# Altium PCB Ver1_0.PcbDoc (continued)
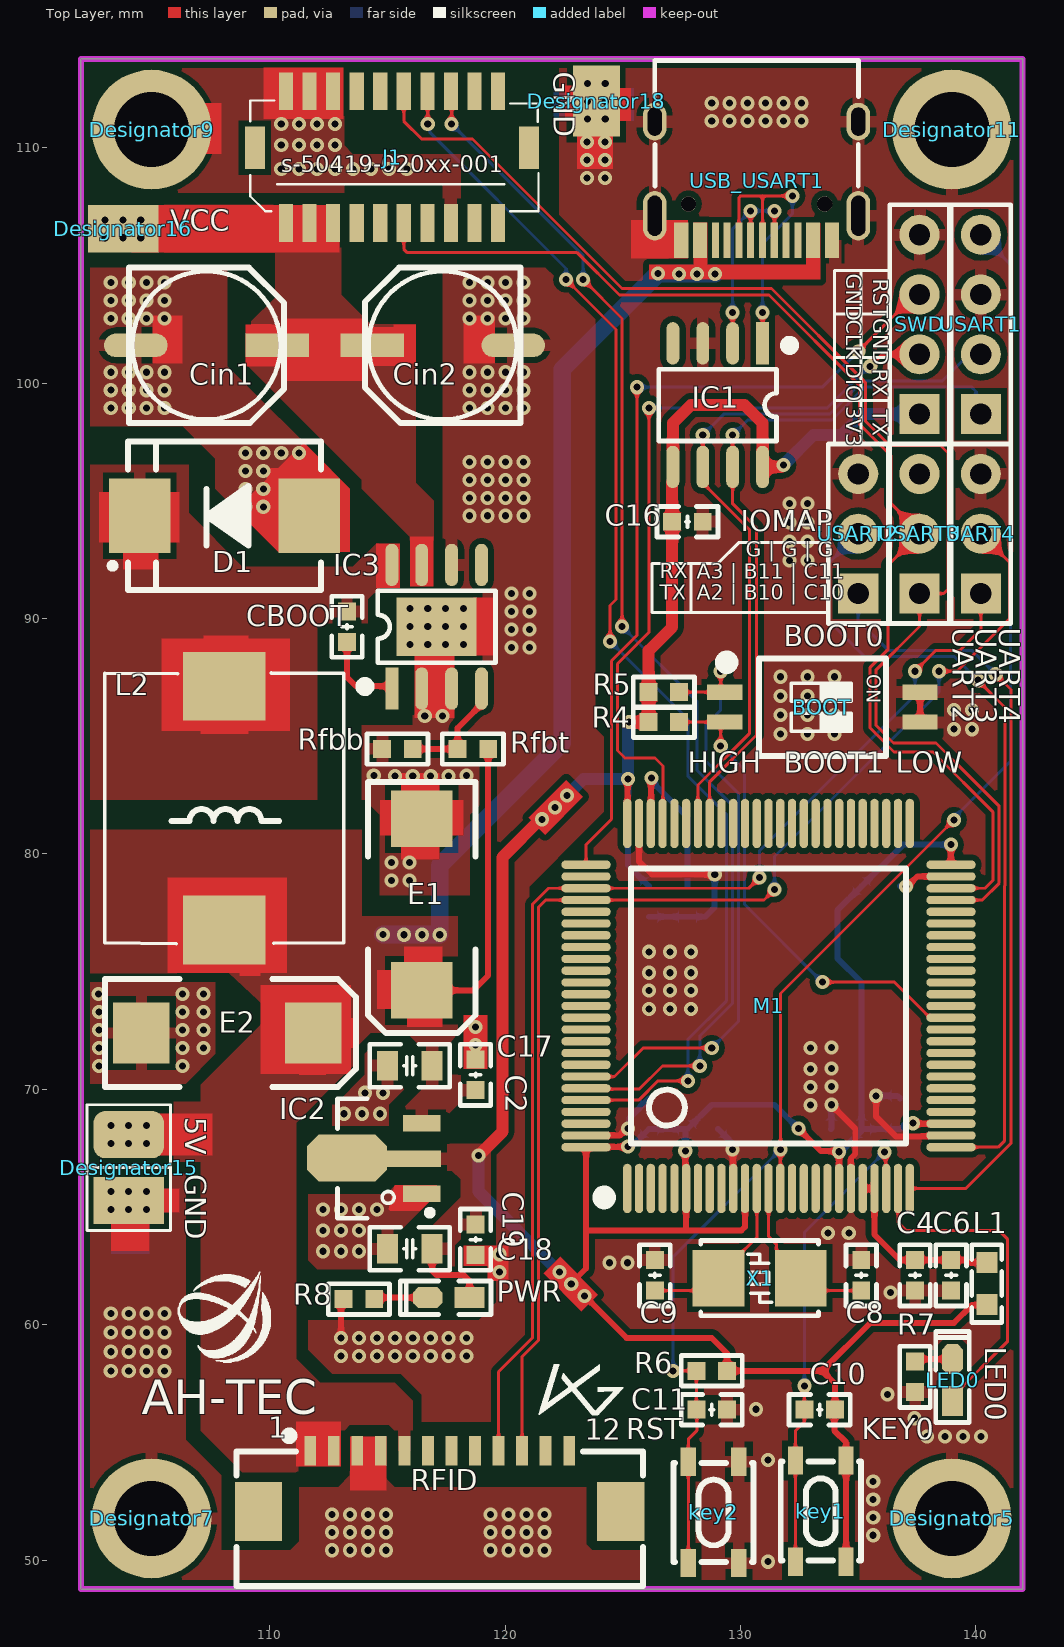
[diagram p0: Top Layer view]
## Nets (pads, with @x,y where several pads share a name; then routed paths per layer and width w, separated by ;. In a path a pad name is that pad's centre, name@x,y a point inside that pad or via, vN(x,y) a via of type N, cw(c..) or ccw(c..) an arc to the next point about the centre after c; other vN are vias at no path point) (continued)
  Top Layer w0.254: v1(113.03,59.436) 113.03,60.975 R8.2 ; M1.99 124.87,68.039 125.157,68.326 v1(125.222,68.326) ; M1.74 125.691,79.668 126.238,79.121 v1(128.905,79.121) ; v1(129.667,67.437) 129.679,67.425 129.679,65.798 M1.10 ; v1(133.858,69.342) 134.874,68.326 134.874,67.252 134.691,67.069 M1.20 ; v1(135.763,69.723) 135.763,68.834 136.597,68 137.962,68 137.982,68.02 138.925,68.02 M1.27 ; BOOT.3 BOOT.4
  Bottom Layer w0.254: v1(125.222,68.326) 125.288,68.392 125.288,68.788 C5.1 ; C15.1 C1.2 128.509,77.328 128.905,77.724 v1(128.905,79.121) ; C14.1 129.601,67.757 129.601,67.503 v1(129.667,67.437) ; C12.1 133.858,68.326 v1(133.858,69.342) ; v1(135.763,69.723) 136.667,69.723 C7.1
  other v1: 131.171,49.931 112.649,50.419 113.411,50.419 114.173,50.419 114.935,50.419 119.38,50.419 120.142,50.419 120.904,50.419 121.666,50.419 135.636,51.054 112.649,51.181 113.411,51.181 114.173,51.181 114.935,51.181 119.38,51.181 120.142,51.181 120.904,51.181 121.666,51.181 135.636,51.816 112.649,51.943 113.411,51.943 114.173,51.943 114.935,51.943 119.38,51.943 120.142,51.943 120.904,51.943 121.666,51.943 135.636,52.578 135.636,53.34 131.171,54.249 137.922,55.245 138.684,55.245 139.446,55.245 140.208,55.245 137.394,56.027 130.663,56.408 136.251,57.043 103.251,58.039 104.013,58.039 104.775,58.039 105.537,58.039 113.03,58.674 113.792,58.674 114.554,58.674 115.316,58.674 116.078,58.674 116.84,58.674 117.602,58.674 118.364,58.674 103.251,58.85 104.013,58.85 104.775,58.85 105.537,58.85 113.792,59.436 114.554,59.436 115.316,59.436 116.078,59.436 116.84,59.436 117.602,59.436 118.364,59.436 103.251,59.661 104.013,59.661 104.775,59.661 105.537,59.661 103.251,60.472 104.013,60.472 104.775,60.472 105.537,60.472 136.378,61.361 119.761,62.23 124.44,62.631 125.202,62.631 119.761,62.992 112.268,63.119 113.03,63.119 113.792,63.119 133.711,63.901 134.6,63.901 112.268,64.008 113.03,64.008 113.792,64.008 112.268,64.897 113.03,64.897 113.792,64.897 114.554,64.897 113.157,68.961 113.919,68.961 114.681,68.961 132.969,69.322 114.046,69.85 114.808,69.85 132.969,70.104 133.858,70.124 132.969,70.866 133.858,70.886 102.743,70.993 106.299,70.993 102.743,71.755 106.299,71.755 107.188,71.755 132.969,71.755 133.858,71.775 118.745,71.882 102.743,72.517 106.299,72.517 107.188,72.517 118.745,72.644 102.743,73.279 106.299,73.279 107.188,73.279 126.111,73.406 127,73.406 127.889,73.406 102.736,74.047 106.292,74.047 107.188,74.041 126.111,74.188 127,74.188 127.889,74.188 126.111,74.95 127,74.95 127.889,74.95 126.111,75.839 127,75.839 127.889,75.839 115.182,78.873 115.944,78.873 115.182,79.635 115.944,79.635 115.316,83.312 116.078,83.312 116.84,83.312 117.602,83.312 114.423,83.329 118.36,83.329 131.699,85.09 132.842,85.09 133.985,85.09 139.065,85.295 139.827,85.295 116.586,85.852 117.348,85.852 131.699,85.901 132.842,85.901 133.985,85.901 139.065,86.106 139.827,86.106 131.699,86.712 132.842,86.712 133.985,86.712 131.699,87.523 132.842,87.523 133.985,87.523 120.269,88.773 121.031,88.773 115.951,88.9 116.713,88.9 117.475,88.9 118.237,88.9 120.269,89.535 121.031,89.535 115.951,89.662 116.713,89.662 117.475,89.662 118.237,89.662 120.269,90.297 121.031,90.297 115.951,90.424 116.713,90.424 117.475,90.424 118.237,90.424 120.269,91.059 121.031,91.059 132.08,92.456 132.842,92.456 132.08,93.267 132.842,93.267 132.08,94.078 132.842,94.078 118.491,94.361 119.253,94.361 120.015,94.361 120.777,94.361 108.966,94.742 109.728,94.742 132.08,94.889 132.842,94.889 118.491,95.123 119.253,95.123 120.015,95.123 120.777,95.123 108.966,95.504 109.728,95.504 118.491,95.885 119.253,95.885 120.015,95.885 120.777,95.885 108.966,96.266 109.728,96.266 118.491,96.647 119.253,96.647 120.015,96.647 120.777,96.647 108.966,97.028 109.728,97.028 110.49,97.028 111.252,97.028 103.251,98.933 104.013,98.933 104.775,98.933 105.537,98.933 118.491,98.933 119.253,98.933 120.015,98.933 120.777,98.933 103.251,99.695 104.013,99.695 104.775,99.695 105.537,99.695 118.491,99.695 119.253,99.695 120.015,99.695 120.777,99.695 103.251,100.457 104.013,100.457 104.775,100.457 105.537,100.457 118.491,100.457 119.253,100.457 120.015,100.457 120.777,100.457 103.251,102.743 104.013,102.743 104.775,102.743 105.537,102.743 118.491,102.743 119.253,102.743 120.015,102.743 120.777,102.743 103.251,103.505 104.013,103.505 104.775,103.505 105.537,103.505 118.491,103.505 119.253,103.505 120.015,103.505 120.777,103.505 103.251,104.267 104.013,104.267 104.775,104.267 105.537,104.267 118.491,104.267 119.253,104.267 120.015,104.267 120.777,104.267 123.481,108.709 124.243,108.709 110.49,109.093 111.252,109.093 112.014,109.093 112.776,109.093 113.538,109.093 114.3,109.093 115.062,109.093 115.824,109.093 123.481,109.471 124.243,109.471 110.49,110.109 111.252,110.109 112.014,110.109 112.776,110.109 123.481,110.233 124.243,110.233 110.49,110.998 111.252,110.998 112.014,110.998 112.776,110.998 128.778,111.125 129.54,111.125 130.302,111.125 131.064,111.125 131.826,111.125 132.588,111.125 128.778,111.887 129.54,111.887 130.302,111.887 131.064,111.887 131.826,111.887 132.588,111.887
KEY0: C10.2 key1.1 key1.2 M1.23 | length 20.7
  Top Layer w0.127: key1.1 key1.2 132.334,55.499 132.715,55.88 C10.2 v1(132.715,57.404) v1@132.842,57.404 ; v1(136.121,67.337) 136.168,67.29 136.168,65.81 M1.23 M1.23@136.223,65.755
  Bottom Layer w0.127: v1(132.715,57.404) 132.715,63.931 v1(136.121,67.337)
LED0: LED0.1 M1.24 | length 14.2
  Top Layer w0.127: M1.24 136.691,64.35 137.033,64.008 140.97,64.008 141.351,63.627 141.351,59.293 139.007,56.949 LED0.1
NetC1_1: C1.1 M1.73 | length 7.2
  Top Layer w0.254: M1.73 126.199,81.299 126.199,83.204 v1(126.217,83.221)
  Bottom Layer w0.254: v1(126.217,83.221) 126.217,83.079 127.747,81.549 C1.1
NetC3_1: C3.1 M1.49 | length 2.3
  Top Layer w0.254: v1(137.033,78.613) 137.087,78.613 137.512,79.039 M1.49
  Bottom Layer w0.254: C3.1 137.018,78.628 v1(137.033,78.613)
NetCBOOT1_1: CBOOT.1 IC3.1 | length 3.6
  Top Layer w0.254: CBOOT.1 113.284,87.503 113.665,87.122 115.089,87.122 IC3.1
NetCBOOT1_2: CBOOT.2 D1.2 IC3.8 L2.1
NetIC3_4: IC3.4 Rfbb.2 Rfbt.1 | length 4.9
  Top Layer w0.254: Rfbb.2 Rfbt.1 117.983,85.344 118.999,86.36 IC3.4
NetLED0_2: LED0.2 R7.1 | length 1.6
  Top Layer w0.254: R7.1 137.516,58.537 LED0.2
NetPWR_2: PWR.2 R8.1 | length 2.3
  Top Layer w0.254: R8.1 114.503,61.148 PWR.2
NRST: C11.2 key2.1 key2.2 M1.14 R6.2 USART1.4 | length 65.7
  Top Layer w0.127: v1(127.127,58.039) R6.2 C11.2 128.143,56.373 128.143,55.499 127.781,55.137 key2.2 key2.1 ; M1.14 131.695,65.79 131.695,67.433 v1(131.699,67.437) 131.699,74.073 v1(139.065,81.439)
  Bottom Layer w0.127: v1(127.127,58.039) 127.127,62.865 v1(131.699,67.437) ; v1(139.065,81.439) 139.065,81.534 141.478,83.947 141.478,105.029 USART1.4
OLED_CS: M1.36
OLED_DC: M1.35
OLED_RST: M1.91
OSC_8M_IN: C9.2 M1.12 X1.2 | length 7.4
  Top Layer w0.127: C9.2 128.533,61.449 X1.2 129.06,62.076 130.691,63.707 M1.12
OSC_8M_OUT: C8.2 M1.13 X1.1 | length 7.2
  Top Layer w0.127: M1.13 131.191,63.754 131.523,63.422 131.523,63.013 X1.1 133.087,61.449 C8.2
PB6_I2C1_SCL: M1.92
PB7_I2C1_SDA: M1.93
PC0_ADC123_IN10: M1.15
PC1_ADC123_IN11: M1.16
PC2_ADC123_IN12: M1.17
PC3_ADC123_IN13: M1.18
PC4_ADC12_IN14: M1.33
PC5_ADC12_IN15: M1.34
PC6: M1.63
PC7: M1.64
SPI1_CLK_PA5: M1.30
SPI1_CS_PA4: M1.29
SPI1_MISO_PA6: M1.31
SPI1_MOSI_PA7: M1.32
SPI2_CLK: M1.52
SPI2_MOSI: M1.54
SWCLK: M1.76 SWD.3 | length 34.8
  Top Layer w0.127: M1.76 123.439,80.391 124.521,81.473 124.521,88.199 125.603,89.281 v1(125.603,99.822) ; v1(135.001,101.346) 137.414,103.759 SWD.3
  Bottom Layer w0.127: v1(125.603,99.822) 133.477,99.822 v1(135.001,101.346)
SWDIO: M1.72 SWD.2 | length 32.2
  Top Layer w0.127: v1(126.111,98.933) 126.111,89.408 124.775,88.072 124.775,84.394 125.095,84.074 126.365,84.074 126.707,83.732 126.707,81.307 M1.72 ; v1(135.509,100.711) 136.017,101.219 SWD.2
  Bottom Layer w0.127: v1(126.111,98.933) 133.674,98.933 135.452,100.711 v1(135.509,100.711)
UART4_RX: M1.79 RFID.10 UART4.2 | length 53.9
  Top Layer w0.127: RFID.10 120.721,58.64 121.412,59.331 121.412,77.724 121.727,78.039 M1.79 130.998,78.039 v1(131.445,78.486) ; v1(138.43,87.757) 139.192,87.757 141.425,89.99 141.425,92.382 UART4.2
  Bottom Layer w0.127: v1(131.445,78.486) 131.445,79.883 138.43,86.868 v1(138.43,87.757)
UART4_TX: M1.78 RFID.9 UART4.1 | length 50.5
  Top Layer w0.127: RFID.9 119.721,57.999 121.158,59.436 121.158,77.851 121.846,78.539 M1.78 130.355,78.539 v1(130.81,78.994) ; v1(137.414,87.757) 138.303,88.646 139.319,88.646 140.208,89.535 UART4.1
  Bottom Layer w0.127: v1(130.81,78.994) 130.81,80.137 137.414,86.741 v1(137.414,87.757)
USART1_RX: IC1.6 M1.69 USART1.2 | length 31.5
  Top Layer w0.127: M1.69 128.191,82.92 130.376,85.106 130.376,93.779 128.397,95.758 v1(128.397,97.79)
  Bottom Layer w0.127: v1(128.397,97.79) 129.286,98.679 133.779,98.679 135.176,100.076 138.557,100.076 139.399,100.918 139.907,100.918 USART1.2
USART1_TX: IC1.7 M1.68 USART1.1 | length 33.6
  Top Layer w0.127: M1.68 128.691,83.061 130.683,85.053 130.683,88.552 ; v1(129.667,97.79) IC1.7 129.667,94.869 130.683,93.853 130.683,92.934 130.683,89.06 ; 130.683,88.997 130.683,88.552 ; 130.683,92.14 130.683,88.552
  Bottom Layer w0.127: v1(129.667,97.79) 130.302,98.425 133.884,98.425 135.281,99.822 139.827,99.822 140.004,99.645 140.004,98.883 USART1.1
USART2_RX: M1.26 USART2.2 | length 34.1
  Top Layer w0.127: M1.26 140.945,67.539 141.224,67.818 141.224,78.635 141.239,78.65 141.239,86.218 v1(140.081,87.376)
  Bottom Layer w0.127: USART2.2 133.731,92.329 133.731,89.916 135.255,88.392 139.065,88.392 v1(140.081,87.376)
USART2_TX: M1.25 USART2.1 | length 33.2
  Top Layer w0.127: M1.25 139.573,65.786 141.493,67.706 141.493,86.98 v1(140.843,87.63)
  Bottom Layer w0.127: USART2.1 135.001,89.916 136.271,88.646 139.827,88.646 v1(140.843,87.63)
USART3_RX: J1.11 M1.48 USART3.2 | length 50.9
  Top Layer w0.127: J1.11 115.697,105.686 115.846,105.537 123.063,105.537 124.856,103.744 131.206,103.744 135.064,99.885 135.064,98.234 136.398,96.901 136.398,94.869 137.605,93.662 USART3.2 136.271,92.266 136.271,88.688 135.509,87.926 135.509,85.344 136.525,84.328 138.176,84.328 140.716,81.788 140.716,78.867 140.388,78.539 M1.48
USART3_TX: J1.12 M1.47 USART3.1 | length 56.9
  Top Layer w0.127: J1.12 115.697,111.125 116.459,110.363 118.618,110.363 124.968,104.013 131.318,104.013 135.255,100.076 135.255,100.054 135.319,99.991 135.319,98.361 136.335,97.345 138.494,97.345 138.811,97.028 138.811,91.239 138.631,91.059 138.557,91.059 138.303,91.059 137.668,91.059 USART3.1 137.605,89.662 135.763,87.82 135.763,85.449 136.503,84.709 138.303,84.709 139.954,83.058 140.985,82.027 140.985,78.755 140.269,78.039 M1.47
VCC13.6V_IN: Cin1.1 Cin2.1 Designator16.1 IC3.7 J1.1 J1.3 J1.5
VCC_3V3: C5.2 C7.2 C10.1 C12.2 C13.2 C14.2 C15.2 C16.2 C18.2 C19.2 IC1.5 IC1.8 IC2.2 key1.3 key1.4 L1.2 M1.6 M1.11 M1.19 M1.28 M1.50 M1.75 M1.100 PWR.1 R4.2 R5.2 R6.1 SWD.1 | length 150.1
  Top Layer w0.254: C18.2 116.901,62.296 117.094,62.103 118.237,62.103 118.491,61.849 PWR.1 ; v1(123.372,61.224) 125.16,59.436 128.778,59.436 129.428,58.786 R6.1 133.477,58.039 ; v1@123.53,61.382 123.182,61.73 122.784,61.73 123.439,62.384 123.439,64.013 ; M1.75 125.206,81.306 125.206,83.169 v1(125.222,83.185) ; v1(125.222,67.564) 125.209,67.551 123.451,67.551 M1.100 123.439,64.013 ; v1(127.654,67.386) 127.654,65.823 M1.6 127.691,64.022 127.686,64.017 ; M1.11 130.191,64.157 130.042,64.008 123.444,64.008 123.439,64.013 ; v1(132.461,68.326) 133.41,67.377 134.155,67.377 v1(134.185,67.346) 134.185,65.874 134.232,65.827 M1.19 ; key1.3 key1.4 134.484,55 133.985,55.499 133.985,56.358 C10.1 134.015,57.501 133.477,58.039 ; v1(137.329,68.558) 137.349,68.539 M1.28 ; v1(138.938,80.391) 138.938,79.544 M1.50 ; L1.2 140.436,60.833 139.827,60.833 139.065,60.071 135.509,60.071 133.477,58.039
  Top Layer w0.508: v1(118.872,67.183) 119.888,68.199 119.888,79.851 121.585,81.548 121.724,81.548 v1@122.15,81.974 ; v1(125.265,85.598) R4.2 R5.2 126.096,88.631 127.097,89.632 C16.2 127.097,95.769 127.127,95.799 IC1.5 127.127,98.298 127.889,99.06 130.175,99.06 130.937,98.298 IC1.8 131.716,96.435 131.801,96.52 v1(131.826,96.52)
  Bottom Layer w0.254: v1(125.222,67.564) 125.288,67.63 125.43,67.63 C5.2 C14.2 ; v1(125.222,83.185) 125.222,79.517 C15.2 ; v1(127.654,67.386) 127.654,68.18 127.635,68.199 C14.2 ; v1(132.461,68.326) 131.445,69.342 128.778,69.342 C14.2 ; v1(134.185,67.346) 134.255,67.346 135.143,68.234 C12.2 ; v1(137.329,68.558) 137.026,68.558 C7.2 C12.2 ; v1(138.938,80.391) 136.906,80.391 C13.2 134.112,77.597 134.112,75.565 135.143,74.534 C12.2
  Bottom Layer w0.508: v1(118.872,67.183) 118.872,65.659 v1@122.303,62.228 ; v1(122.629,82.475) 123.338,83.185 v1(125.222,83.185) 125.222,85.53 125.265,85.573 v1(125.265,85.598) ; v1(131.826,96.52) 133.096,97.79 134.29,97.79 135.179,98.679 SWD.1
  other v1: 122.809,61.722 122.305,62.231 121.562,81.468 122.125,81.966
VCC_5V: C2.2 C17.2 Designator15.2 E1.1 E2.1 IC2.3 L2.2 Rfbt.2 RFID.1 RFID.2 RFID.5 USB_USART1.A4 USB_USART1.A9 USB_USART1.B4 USB_USART1.B9 | length 49.5
  Top Layer w0.254: E1.1 118.651,74.201 119.283,74.833 Rfbt.2
  Bottom Layer w0.762: v1(114.808,76.581) 117.208,76.581 v1(117.225,76.564) 117.225,79.506 122.428,84.709 122.428,100.584 v1(126.492,104.648) 128.147,104.648 v1@128.909,104.648
  other v1: 115.701,76.564 116.463,76.564 127.385,104.631 128.147,104.631 128.909,104.631
VDDA: C4.2 C6.2 L1.1 M1.21 M1.22 | length 7.7
  Top Layer w0.254: M1.21 M1.22 135.691,63.826 136.768,62.749 C4.2 C6.2 139.562,62.749 139.674,62.637 L1.1
pads on no net: IC1.4 IC3.5 IC3.10 IC3.11 J1.0 J1.7 J1.8 J1.9 J1.10 J1.13 J1.17 J1.18 J1.19 J1.20 M1.1 M1.2 M1.3 M1.4 M1.5 M1.7 M1.8 M1.9 M1.38 M1.39 M1.40 M1.41 M1.42 M1.43 M1.44 M1.45 M1.46 M1.51 M1.53 M1.55 M1.56 M1.57 M1.58 M1.59 M1.60 M1.61 M1.62 M1.65 M1.66 M1.67 M1.70 M1.71 M1.77 M1.80 M1.81 M1.82 M1.83 M1.84 M1.85 M1.86 M1.87 M1.88 M1.89 M1.90 M1.97 M1.98 RFID.0 RFID.6 RFID.7 RFID.8 RFID.11 RFID.12 USB_USART1.0 USB_USART1.A5 USB_USART1.A8 USB_USART1.B5 USB_USART1.B8

## Polygon pours and split planes (outlines as drawn)
GND on Top Layer "GND_L01_P035" (solid, remove dead copper, pour order 35): 122.301,113.38 122.301,55.88 125.984,52.197 125.984,48.768 141.986,48.768 142.113,48.895 141.986,49.022 141.986,113.411
VCC13.6V_IN on Top Layer "VCC13.6V_IN_L01_P032" (solid, pour order 32): 113.03,107.569 101.981,107.569 101.981,105.537 112.966,105.537 113.03,105.474
GND on Top Layer "GND_L01_P029" (solid, pour order 29): 122.301,113.792 122.301,109.093 126.111,105.283 127.762,105.283 127.762,113.792
GND on Top Layer "GND_L01_P027" (solid, pour order 27): 101.981,66.421 106.426,66.421 106.426,55.118 107.95,53.594 107.95,48.768 101.981,48.768
VCC_5V on Top Layer "VCC_5V_L01_P007" (solid, pour order 7): 107.061,68.072 107.061,55.499 108.839,53.721 113.03,53.721 113.03,55.372 113.411,55.753 115.062,55.753 115.316,55.499 115.316,53.721 116.078,53.721 116.078,56.769 115.316,57.531 112.141,57.531 111.125,58.547 111.125,68.072
GND on Top Layer "GND_L01_P034" (solid, pour order 34): 121.703,104.903 123.825,102.782 123.825,85.344 124.333,84.836 124.333,81.915 121.031,78.613 121.031,59.69 119.507,58.166 119.507,55.88 116.459,55.88 116.459,57.023 115.57,57.912 112.649,57.912 111.633,58.928 111.633,60.198 118.872,60.198 119.634,60.96 119.634,67.31 120.269,67.945 120.269,79.756 122.809,82.296 122.809,82.804 122.428,82.804 119.634,80.01 119.634,82.97 119.671,83.007 119.57,83.108 119.57,104.902
VCC_5V on Top Layer "VCC_5V_L01_P033" (solid, pour order 33): 105.918,69.469 105.918,66.929 108.717,66.929 108.717,68.702 107.95,69.469
VCC_5V on Top Layer "VCC_5V_L01_P008" (solid, pour order 8): 113.261,70.716 111.125,68.58 111.125,67.691 110.998,67.564 107.061,67.564 107.061,68.072 107.061,70.191 110.213,73.343
VCC13.6V_IN on Top Layer "VCC13.6V_IN_L01_P014" (solid, pour order 14): 110.236,107.569 113.03,107.569 113.03,103.759 114.3,102.489 116.205,102.489 116.205,100.838 109.22,100.838 109.22,102.616 110.236,103.632
GND on Top Layer "GND_L01_P020" (solid, pour order 20): 101.981,113.768 113.133,113.768 113.157,113.792 113.157,108.077 101.981,108.077
GND on Top Layer "GND_L01_P031" (solid, pour order 31): 126.111,113.792 135.636,113.792 135.636,109.855 135.382,109.601 126.111,109.601
GND on Top Layer "GND_L01_P030" (solid, pour order 30): 133.604,105.283 133.731,105.41 133.731,113.792 141.986,113.792 141.986,108.077 141.605,107.696 139.065,107.696 138.684,107.315 138.684,105.664 138.303,105.283
GND on Top Layer "GND_L01_P028" (solid, pour order 28): 113.411,55.245 114.935,55.245 114.935,53.467 115.316,53.086 123.444,53.086 123.444,50.673 123.698,50.419 125.984,50.419 125.984,48.768 106.299,48.768 106.299,50.292 106.426,50.419 110.871,50.419 111.252,50.8 111.252,53.086 112.903,53.086 113.411,53.594
GND on Top Layer "GND_L01_P025" (solid, pour order 25): 114.3,71.755 115.697,71.755 115.824,71.628 115.824,70.104 115.062,69.342 115.062,68.453 112.649,68.453 112.649,69.342 112.776,69.342 114.046,70.612 114.046,71.501
VCC_5V on Top Layer "VCC_5V_L01_P006" (solid, pour order 6): 116.459,70.612 119.253,70.612 119.253,69.342 117.983,69.342 117.475,68.834 117.475,68.199 115.57,68.199 115.57,69.088 116.459,69.977
GND on Top Layer "GND_L01_P026" (solid, pour order 26): 117.348,66.04 115.443,66.04 114.935,65.532 111.633,65.532 111.633,62.738 112.014,62.357 115.443,62.357 115.697,62.611 115.697,64.135 116.713,65.151 117.348,65.151
GND on Top Layer "GND_L01_P024" (solid, pour order 24): 102.235,74.549 107.696,74.549 107.696,71.501 106.426,70.231 102.362,70.231 102.235,70.104
GND on Top Layer "GND_L01_P023" (solid, pour order 23): 121.793,84.963 118.491,81.661 118.491,78.232 114.681,78.232 114.681,81.661 114.046,82.296 113.919,82.296 113.919,85.471 116.078,85.471 116.078,88.646 116.205,88.773 121.793,88.773
VCC_3V3 on Top Layer "VCC_3V3_L01_P022" (solid, pour order 22): 114.554,67.691 119.38,67.691 119.38,63.881 118.364,63.881 117.856,63.373 117.856,62.484 116.205,62.484 116.205,64.135 116.84,64.135 118.11,65.405 118.11,66.167 117.729,66.548 114.554,66.548
GND on Top Layer "GND_L01_P019" (solid, pour order 19): 102.235,104.902 108.077,104.902 108.204,104.775 108.204,100.711 112.903,96.012 112.903,92.837 110.363,92.837 107.696,95.504 107.696,96.774 106.299,98.171 102.235,98.171
GND on Top Layer "GND_L01_P018" (solid, pour order 18): 110.109,113.284 113.157,113.284 113.157,110.109 113.538,109.728 113.538,108.458 110.236,108.458 110.109,108.585
VCC13.6V_IN on Top Layer "VCC13.6V_IN_L01_P016" (solid, pour order 16): 108.971,100.843 113.919,95.895 113.919,95.504 115.951,93.472 115.951,91.44 116.967,91.44 116.967,94.996 116.205,95.758 116.205,102.489 110.617,102.489
GND on Top Layer "GND_L01_P013" (solid, pour order 13): 118.11,106.045 118.11,109.728 112.903,109.728 112.903,108.458 117.348,108.458 117.348,106.045
GND on Top Layer "GND_L01_P011" (solid, pour order 11): 117.348,104.9 121.793,104.903 121.793,88.265 118.491,88.265 116.078,88.265 114.935,88.265 114.935,90.932 116.967,90.932 117.348,91.313
VCC_5V on Top Layer "VCC_5V_L01_P004" (solid, pour order 4): 113.919,81.026 113.919,77.343 117.983,77.343 117.983,72.39 117.602,71.882 117.602,71.755 117.602,70.231 116.459,70.231 116.459,71.755 115.824,72.39 114.3,72.39 113.665,71.755 113.665,71.12 113.157,70.612 110.109,70.612 110.109,73.239 108.273,74.93 102.235,74.93 102.235,81.026
NetCBOOT1_2 on Top Layer "NETCBOOT1_2_L01_P001" (solid, pour order 1): 115.443,93.218 115.443,91.44 115.316,91.313 114.681,91.313 114.173,90.805 114.173,89.789 112.014,89.789 112.014,82.296 102.235,82.296 102.235,96.52 106.553,96.52 106.553,94.488 108.839,92.202 113.538,92.202 114.554,93.218
GND on Bottom Layer "GND_L02_P036" (solid, remove dead copper, pour order 36): 101.981,113.768 141.981,113.768 141.981,48.768 101.981,48.768

## Keep-outs
Keep-Out Layer:
  the board outline again, w0.254

## Other copper
Top Layer:
  rectangle net VCC_5V: 109.601,70.654 113.445,74.422
  rectangle net VCC13.6V_IN: 115.252,100.838 116.205,102.489
  rectangle net VCC13.6V_IN: 108.966,100.711 110.363,102.489
  rectangle net NetCBOOT1_2: 105.41,85.217 110.871,89.154
  rectangle net VCC_5V: 105.664,74.93 110.744,78.994
  rectangle net GND: 125.349,105.283 127.762,106.934
  rectangle net VCC13.6V_IN: 115.951,91.356 116.969,93.472
  rectangle net NetCBOOT1_2: 114.518,91.287 115.528,93.182
  rectangle net GND: 118.647,88.419 119.587,90.886
  rectangle net GND: 116.141,85.761 117.852,88.709
  rectangle net GND: 115.57,82.423 117.221,83.439
  rectangle net GND: 114.681,80.772 115.443,82.296
  rectangle net GND: 117.602,80.772 118.237,82.296
  rectangle net GND: 115.57,79.756 117.221,80.518
  rectangle net VCC13.6V_IN: 114.203,100.727 115.425,102.37
  rectangle net VCC13.6V_IN: 109.197,100.738 110.086,102.516
  rectangle net GND: 107.061,109.728 107.95,111.887
  rectangle net GND: 122.555,111.125 122.936,112.649
  rectangle net GND: 124.714,111.125 125.349,112.522
  rectangle net GND: 123.063,109.093 124.587,110.871
  rectangle net GND: 109.728,111.211 113.136,113.411
  rectangle net VCC13.6V_IN: 104.14,105.553 112.971,107.569
  rectangle net GND: 105.029,100.838 106.299,102.87
  rectangle net GND: 118.237,100.839 119.57,102.87
  rectangle net VCC13.6V_IN: 110.617,100.076 114.046,102.743
  rectangle net NetCBOOT1_2: 103.759,92.075 105.283,93.091
  rectangle net NetCBOOT1_2: 102.743,93.218 106.172,95.377
  rectangle net GND: 109.855,94.361 111.677,96.393
  rectangle net NetCBOOT1_2: 105.791,86.233 106.68,88.138
  rectangle net NetCBOOT1_2: 109.601,86.36 110.617,87.884
  rectangle net NetCBOOT1_2: 107.188,88.138 109.093,89.281
  rectangle net NetCBOOT1_2: 107.061,85.09 109.093,85.979
  rectangle net VCC_5V: 111.252,70.612 112.395,71.247
  rectangle net VCC_5V: 112.903,71.755 113.665,73.025
  rectangle net VCC_5V: 110.236,71.755 110.871,73.025
  rectangle net VCC_5V: 111.252,73.406 112.649,74.295
  rectangle net VCC_5V: 115.697,75.184 117.348,76.073
  rectangle net VCC_5V: 115.824,72.644 117.348,73.279
  rectangle net VCC_5V: 114.554,73.406 115.443,75.057
  rectangle net VCC_5V: 108.712,74.803 109.601,75.438
  rectangle net VCC_5V: 105.664,75.946 106.553,77.47
  rectangle net VCC_5V: 109.601,75.946 110.363,77.47
  rectangle net VCC_5V: 107.315,77.851 109.093,78.74
  rectangle net VCC_5V: 102.997,67.183 107.569,68.961
  rectangle net VCC_5V: 104.521,67.564 106.299,68.58
  rectangle net GND: 105.156,64.77 106.172,65.786
  rectangle net GND: 103.251,63.119 104.902,64.897
  rectangle net GND: 113.411,52.959 114.972,55.245
  rectangle net VCC_5V: 111.125,53.975 113.03,55.88
  region net VCC_3V3: 123.233,60.563 123.952,61.281 122.335,62.897 121.617,62.179
  region net VCC_3V3: 123.317,82.423 122.599,83.141 120.982,81.525 121.701,80.807
  rectangle net VCC_5V: 126.111,104.394 133.393,105.029
  rectangle net VCC_5V: 132.781,104.521 133.393,106.791
  rectangle net VCC_5V: 127.993,104.521 128.606,106.824
  rectangle net GND: 119.253,61.849 120.142,63.373
  rectangle net GND: 118.237,70.866 119.253,73.152
  rectangle net GND: 118.237,62.484 120.142,63.373
  region net GND: 115.284,65.881 115.316,65.913 117.094,65.913 117.094,65.532 116.397,64.835 115.124,64.835 115.062,64.897
  region net GND: 113.411,95.504 113.411,92.837 110.363,92.837 108.585,94.615 111.379,97.409 111.506,97.409
Bottom Layer:
  rectangle net GND: 124.587,111.125 125.476,112.522
  rectangle net GND: 122.047,111.125 123.063,112.522
  rectangle net GND: 123.19,109.347 124.46,110.744
  rectangle net GND: 105.283,64.77 106.172,65.786
  rectangle net GND: 103.251,62.992 104.902,64.897
  region net VCC_3V3: 123.233,60.563 123.952,61.281 122.335,62.897 121.617,62.179
  region net VCC_3V3: 123.317,82.423 122.599,83.141 120.982,81.525 121.701,80.807

## Silkscreen, mask and mechanical layers (free items; w line width, h text height)
Top Overlay:
  drawing of 2167 lines, arcs and shapes, not listed
  text "GND" at 121.78,113.219 h1.52 r270
  text "VCC" at 105.785,106.171 h1.52
  text "GND" at 134.283,104.643 h1.1 r270
  text "RST" at 135.418,104.427 h1.1 r270
  text "GND" at 135.418,102.754 h1.1 r270
  text "CLK" at 134.283,102.688 h1.1 r270
  text "DIO" at 134.283,100.846 h1.1 r270
  text "RX" at 135.411,100.598 h1.1 r270
  text "3V3" at 134.283,99.005 h1.1 r270
  text "TX" at 135.411,98.857 h1.1 r270
  text "IOMAP" at 130.012,93.414 h1.52
  text "G | G | G" at 130.233,92.409 h1.1
  text "RX" at 126.574,91.499 h1.1
  text "A3 | B11 | C11" at 128.143,91.473 h1.1
  text "TX" at 126.574,90.577 h1.1
  text "A2 | B10 | C10" at 128.145,90.582 h1.1
  text "UART2" at 138.714,89.613 h1.52 r270
  text "UART3" at 139.699,89.613 h1.52 r270
  text "UART4" at 140.684,89.613 h1.52 r270
  text "BOOT0" at 131.827,88.53 h1.52
  text "HIGH" at 127.763,83.15 h1.52
  text "BOOT1" at 131.827,83.15 h1.52
  text "LOW" at 136.603,83.15 h1.52
  text "5V" at 106.105,68.821 h1.52 r270
  text "GND" at 106.105,66.384 h1.52 r270
  text "LED0" at 140.092,59.054 h1.52 r270
  text "AH-TEC" at 104.557,55.702 h2.5
  text "1" at 109.934,54.893 h1.52
  text "RST" at 125.144,54.826 h1.52
  text "KEY0" at 135.158,54.826 h1.52
  text "12" at 123.379,54.808 h1.52
Bottom Overlay:
  drawing of 2759 lines, arcs and shapes, not listed
  text "GND" at 122.34,112.423 h1.52
  text "VCC" at 107.847,106.854 h1.52
  text "Input 9~30V" at 112.165,105.541 h1.52
  text "5V" at 107.513,67.829 h1.52
  text "GND" at 108.457,64.908 h1.52
  text "AH-RFID_Ver2_PVer1_0" at 134.746,51.426 h1.78
Bottom Solder:
  rectangle: 114.681,88.138 119.507,91.059

## Dimensions
139.253,111.164 to 139.253,52.164 on Mechanical 1
142.253,114.164 to 142.253,49.164 on Mechanical 1
139.253,111.164 to 105.253,111.164 on Mechanical 1
102.253,114.164 to 142.253,114.164 on Mechanical 1

## Text inside footprints (layer, text, board x,y; h text height)
BOOT: Top Overlay "ON" at 135.173,87.63 h1 r270
J1: Top Overlay "s-50419-020xx-001" at 110.49,108.721 h1.2